# Altium PCB 直立车-PCB.PcbDoc (continued)
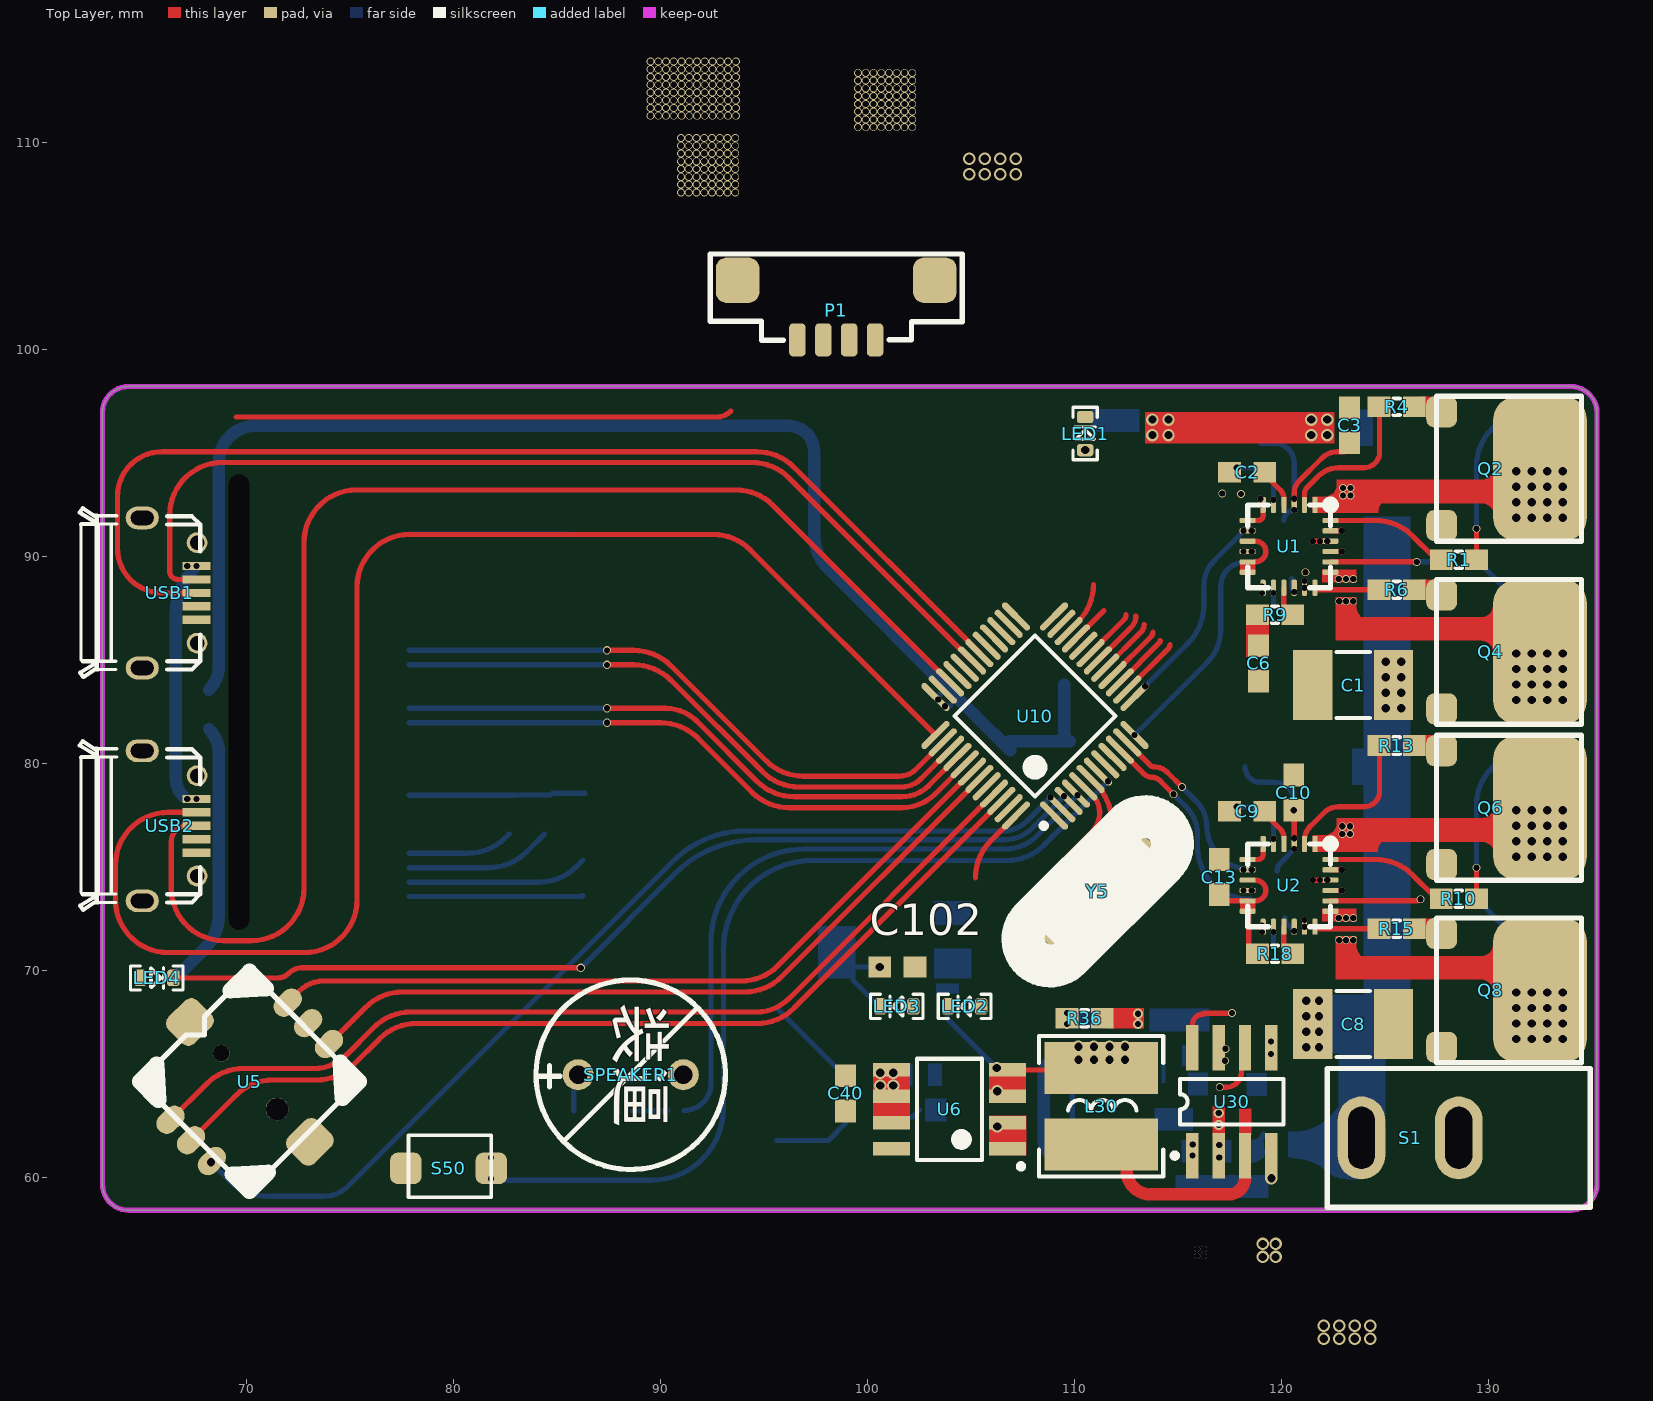
[diagram p0: Top Layer view]
## Nets (pads, with @x,y where several pads share a name; then routed paths per layer and width w, separated by ;. In a path a pad name is that pad's centre, name@x,y a point inside that pad or via, vN(x,y) a via of type N, cw(c..) or ccw(c..) an arc to the next point about the centre after c; other vN are vias at no path point)
12V: C1.2 C8.2 C30.1 C31.1 C32.1 D1.A D2.A Q1.2 Q3.2 Q5.2 Q7.2 R35.2 R41.2 S1.1 U30.2 | length 8.8
  Bottom Layer w0.254: C32.1@118.533,60.821 ccw(c118.533,61.421) C31.1@119.1,61.225 ; 118.55,61.675 ccw(c118.55,62.275) C31.1@119.117,62.079 ; 120.55,61.025 cw(c120.55,58.485) 122.188,60.426 ccw(c123.157,61.395) 123.157,60.025 S1.1@123.725,60.025 ; 120.575,62.075 ccw(c120.575,64.615) 122.563,63.034 122.84,63.311 cw(c123.9,62.251) S1.1@123.9,63.75
  other v2: 121.175,66.275 121.8,66.275 121.175,67.025 121.8,67.025 121.175,67.775 121.8,67.775 121.175,68.525 121.8,68.525 125.025,82.65 125.775,82.65 125.025,83.4 125.775,83.4 125.025,84.15 125.775,84.15 125.025,84.9 125.775,84.9 113.75,95.85 114.525,95.85 121.425,95.85 122.2,95.85 113.75,96.6 114.525,96.6 121.425,96.6 122.2,96.6
  other v5: 116.975,60.95 116.975,61.55 116.95,62.525 116.95,63.1
A-3V3: C6.1 C13.1 C64.1 C65.1 C66.1 C102.1 D101.2 P1.4 Q50.3 R9.1 R18.1 R43.2 R44.2 U1.9 U1.11 U1.12 U2.9 U2.11 U2.12 U9.6 U9.9 U100.5 U100.6 U100.7 | length 31.8
  Top Layer w0.254: C13.1 117.275,73.35 U2.11 ; R18.1@118.4,70.45 U2.12@118.4,72.85 ; U2.11@118.725,73.35 ccw(c118.725,73.85) 119.225,73.85 ccw(c118.725,73.85) U2.9@118.725,74.35 ; U1.11@118.725,89.725 ccw(c118.725,90.225) 119.225,90.225 ccw(c118.725,90.225) U1.9@118.725,90.725
  Bottom Layer w0.254: U9.9 82.975,78.456 C66.1 84.683,78.458 C65.1 C64.1 ; 98.825,70.15 v2(100.575,70.15) ; U100.5@99.288,69.513 R43.2@100.4,68.4
  Bottom Layer w0.6: R44.2 67.978,71.053 ccw(c66.356,72.675) 68.65,72.675 68.65,80.503 ccw(c67.028,80.503) D101.2
A-5V: C36.2 C37.2 C38.1 C41.1 L30.2 R32.2 R42.2 U6.3 U6.4 U100.3 U100.4 | length 14
  Top Layer w0.254: U6.4 111.18,65.18 L30.2
  Bottom Layer w0.254: R42.2 103.85,67.65 v2(106.225,65.275) ; 108.5,61.675 ccw(c108.525,61.675) 108.525,61.65
  Bottom Layer w0.6: 108.5,61.675 108.5,65.05 cw(c109.1,65.05) 109.1,65.65 ; 108.525,61.65 ccw(c109.125,61.65) C36.2@109.125,61.05
  other v2: 106.25,64.15 110.175,65.675 110.925,65.675 111.675,65.675 112.425,65.675 110.175,66.3 110.925,66.3 111.675,66.3 112.425,66.3
A-GND: 12V-IN.2 C1.1 C3.1 C5.1 C6.2 C8.1 C10.1 C12.1 C13.2 C30.2 C31.2 C32.2 C34.2 C35.2 C36.1 C37.1 C41.2 C42.1 C43.1 C62.2 C63.2 C64.2 C65.2 C66.2 C102.2 LED1.2 LED2.2 LED3.2 P1.3 Q2.3 Q4.3 Q6.3 Q8.3 R2.2 R3.2 R7.2 R11.2 R12.2 R16.2 R33.1 R34.2 R37.1 R38.2 R60.1 SPEAKER1.2 U1.6 U1.7 U1.13 U1.17 U2.6 U2.7 U2.13 U2.17 U6.1 U6.2 U9.1 U9.8 U9.10 U9.11 U9.12 U9.13 U9.16 U9.17 U9.21 U9.22 U9.23 U9.24 U9.25 U9.29 U9.30 U30.4 U100.1 U100.2 USB1.5 USB2.5 | length 10.2
  Top Layer w0.254: U2.7 118.85,75.35 ccw(c118.85,75.6) 119.1,75.6 U2.6 ; U1.7 118.85,91.725 ccw(c118.85,91.975) 119.1,91.975 U1.6
  Bottom Layer w0.254: R38.2 102.175,62.925 C42.1 ; C37.1 C36.1 114,62.6
  other v1: 121.15,89.225 118.025,93
  other v2: 119.5,59.95 106.25,62.45
  other v3: 119.05,71.85 121.1,72.1 119.05,72.15 121.1,72.425 118.975,76.1 119.05,88.225 121.1,88.475 119.05,88.525 121.1,88.8 118.975,92.475 118.975,92.775
AD-1: P3.4 U10.14 | length 3
  Top Layer w0.254: U10.14 114.526,85.546 ccw(c114.347,85.725) 114.6,85.725
AD-2: P3.3 U10.15 | length 2.8
  Top Layer w0.254: U10.15 114.073,85.801 ccw(c113.949,85.925) 114.125,85.925
BEEP: R53.1 U10.4 | length 30.1
  Bottom Layer w0.254: R53.1 ccw(c91.125,64.525) 92.425,64.525 92.425,71.343 cw(c96.932,71.343) 96.932,75.85 106.625,75.85 ccw(c106.625,78.023) 108.161,76.486 v3(110.125,78.45)
BLUETOOTH-RX: P1.2 U10.22 | length 2.6
  Top Layer w0.254: U10.22 110.156,86.833 ccw(c108.36,88.629) 110.9,88.629
BLUETOOTH-TX: P1.1 U10.21 | length 1.9
  Top Layer w0.254: U10.21 111.406,87.376
BOOT0: R51.2 U10.44
C-3V3: C39.1 C40.2 C51.2 C52.2 C53.2 C54.2 C55.2 D100.2 F4.1 P2.1 P3.1 R50.2 U10.1 U10.9 U10.24 U10.36 U10.48 | length 73.7
  Top Layer w0.254: 105.2,74.461 cw(c107.74,74.461) 105.944,76.257 U10.48
  Bottom Layer w0.254: C39.1 F4.1@98.488,65.287 ; 97.4,95.075 cw(c97.4,95.056) 97.419,95.056 ; v3(103.4,83.075) 103.4,83.119 cw(c103.656,83.119) C55.2@103.475,83.3 ; v3(103.725,82.75) cw(c103.785,82.69) 103.785,82.775 C55.2@104,82.775
  Bottom Layer w0.6: D100.2 ccw(c67.028,84.697) 68.65,84.697 68.65,94.525 cw(c70.425,94.525) 70.425,96.3 96.175,96.3 cw(c96.175,95.075) 97.4,95.075 ; 97.419,95.056 P2.1 ccw(c99.642,91) 98.07,89.428 C55.2 C51.2 C52.2@106.879,80.632 ; C52.2@106.85,81.05 C54.2@109.762,81.05 ; C54.2@109.5,81.175 C53.2@109.5,83.8
CA-1: C4.1 U1.23 | length 0.5
  Top Layer w0.25: U1.23 v3(122.9,91.225)
CA-2: C11.1 U2.23 | length 0.5
  Top Layer w0.25: U2.23 v3(122.9,74.85)
CB-1: C7.1 U1.21 | length 0.5
  Top Layer w0.25: U1.21 v3(122.9,90.225)
CB-2: C14.1 U2.21 | length 0.5
  Top Layer w0.25: U2.21 v3(122.9,73.85)
D-GND: C39.2 C40.1 C50.1 C51.1 C52.1 C53.1 C54.1 C55.1 C56.1 C57.1 P2.2 P3.2 R38.1 R51.1 S50.1 U5.5 U10.8 U10.23 U10.35 U10.47 | length 3.7
  Bottom Layer w0.254: C39.2 98.1,61.775 R38.1@98.937,62.612
ENCODER-1: P2.5 U10.17 | length 2.8
  Top Layer w0.254: U10.17 113.202,86.344 ccw(c112.846,86.7) 113.35,86.7
ENCODER-2: P2.6 U10.16 | length 2.9
  Top Layer w0.254: U10.16 113.693,86.127 ccw(c113.496,86.325) 113.775,86.325
GHA-1: R1.2 U1.24 | length 5.6
  Top Layer w0.254: U1.24 124.523,91.725 cw(c124.523,89.185) 126.319,90.981 R1.2@127.316,89.984
GHA-2: R10.2 U2.24 | length 5.6
  Top Layer w0.254: U2.24 124.523,75.35 cw(c124.523,72.81) 126.319,74.606 R10.2@127.316,73.609
GHB-1: R5.2 U1.20 | length 5.4
  Top Layer w0.254: U1.20 v1(126.519,89.725)
  Bottom Layer w0.254: v1(126.519,89.725) 127.459,89.725 ccw(c127.459,90.066) R5.2
GHB-2: R14.2 U2.20 | length 4.4
  Top Layer w0.254: U2.20 126.519,73.35 ccw(c126.519,73.606) v1(126.7,73.425)
GLA-1: R4.1 U1.2 | length 7.3
  Top Layer w0.254: U1.2 121.1,93.023 cw(c121.527,93.023) 121.225,93.325 121.768,93.868 cw(c122.75,92.887) 122.75,94.275 123.975,94.275 ccw(c123.975,95.025) 124.725,95.025 R4.1@124.725,97.2
GLA-2: R13.1 U2.2 | length 7.2
  Top Layer w0.254: U2.2 121.1,76.286 cw(c122.039,76.286) 121.375,76.95 122.024,77.599 cw(c122.75,76.874) 122.75,77.9 123.975,77.9 ccw(c123.975,78.65) 124.725,78.65 R13.1@124.725,80.825
GLB-1: R6.1 U1.18 | length 2.9
  Top Layer w0.254: U1.18@121.7,88.375 R6.1@124.575,88.375
GLB-2: R15.1 U2.18 | length 2.9
  Top Layer w0.254: U2.18@121.7,72 R15.1@124.575,72
IN-3V3: D100.1 D101.1 USB1.1 USB2.1 | length 12.8
  Bottom Layer w0.254: v4@67.475,89.425 v4(67.575,89.525)
  Bottom Layer w0.4: v4@66.95,78.275 v4(67.125,78.275) v4(67.575,78.275) v4@67.7,78.275 ; v4@67.1,89.525 v4(67.125,89.525) v4(67.575,89.525) v4@67.675,89.525
  Bottom Layer w0.6: 66.925,78.4 cw(c67.77,79.245) 66.575,79.245 D101.1 D100.1 66.575,87.252 cw(c69.648,87.252) v4@67.475,89.425
KEY-DOWN: U5.6 U10.43 | length 36.5
  Top Layer w0.254: U5.6 75.741,68.206 cw(c77.537,66.41) 77.537,68.95 94.049,68.95 ccw(c94.049,71.49) 95.846,69.694 U10.43
KEY-LEFT: U5.3 U10.2 | length 48.8
  Bottom Layer w0.254: v2(68.275,60.725) 69.181,59.819 ccw(c70.977,61.615) 70.977,59.075 73.725,59.075 ccw(c73.725,60.705) 74.877,59.552 90.602,75.277 cw(c94.098,71.78) 94.098,76.725 106.545,76.725 ccw(c106.545,78.307) 107.663,77.188 v3(108.825,78.35)
KEY-MID: U5.2@67.306,61.787 U10.46 | length 45.5
  Top Layer w0.254: U5.2@67.306,61.787 69.475,63.956 cw(c71.271,62.16) 71.271,64.7 73.373,64.7 ccw(c73.373,67.24) 75.169,65.444 76.406,66.681 cw(c78.202,64.885) 78.202,67.425 94.646,67.425 ccw(c94.646,69.965) 96.442,68.169 U10.46
KEY-RIGHT: U5.4 U10.42 | length 37.5
  Top Layer w0.254: U5.4 72.537,68.993 ; 72.537,68.994 cw(c73.7,67.83) 73.7,69.475 93.867,69.475 ccw(c93.867,72.015) 95.663,70.219 U10.42
KEY-UP: U5.1@66.318,62.774 U10.45 | length 46
  Top Layer w0.254: U5.1@66.318,62.774 68.05,64.506 ; 68.05,64.506 cw(c69.846,62.71) 69.846,65.25 73.25,65.25 ccw(c73.25,67.423) 74.786,65.886 ; 74.712,65.812 74.786,65.886 ; U10.45 96.21,68.644 cw(c94.595,70.259) 94.595,67.975 77.927,67.975 ccw(c77.927,65.435) 76.131,67.231 74.786,65.886
LED: LED4.2 U10.3 | length 46.3
  Top Layer w0.254: LED4.2 71.482,69.625 ccw(c71.482,70.393) 72.025,69.85 cw(c72.658,69.217) 72.658,70.112 v4(86.137,70.112)
  Bottom Layer w0.254: v4(86.137,70.112) 90.713,74.688 cw(c94.605,70.797) 94.605,76.3 106.6,76.3 ccw(c106.6,78.171) 107.923,76.848 v3(109.475,78.4)
MOTOR-1-A: R3.1 U1.8 U10.13 | length 10.3
  Top Layer w0.254: U10.13 v3(113.399,83.712)
  Bottom Layer w0.254: 113.2,83.525 115.481,85.806 ccw(c113.685,87.602) 116.225,87.602 116.225,88.525 cw(c118.036,88.525) 116.755,89.805 R3.1
  other v3: 118.15,91.225 118.55,91.225
MOTOR-1-B: R2.1 U1.10 U10.12 | length 10.6
  Bottom Layer w0.254: v3@112.875,81.35 116.396,84.871 ccw(c114.817,86.45) 117.05,86.45 117.05,88.55 cw(c118.2,88.55) R2.1@118.2,89.7
  other v3: 112.885,81.36 118.15,90.225 118.55,90.225
MOTOR-2-A: R12.1 U2.8 U10.11 | length 9.1
  Top Layer w0.254: U10.11 113.634,79.904 ccw(c113.825,80.095) 113.825,79.825 cw(c113.825,78.92) 114.465,79.56 v1(115.175,78.85)
  Bottom Layer w0.254: v1@115.15,78.875 v1(115.175,78.85) 115.898,78.127 cw(c114.745,76.975) 116.375,76.975 ccw(c118.475,76.975) R12.1@118.475,74.875
  other v3: 118.15,74.85 118.55,74.85
MOTOR-2-B: R11.1 U2.10 U10.10 | length 10.4
  Top Layer w0.254: U10.10 113.369,79.462 ccw(c113.7,79.794) 113.7,79.325 cw(c113.7,78.721) 114.127,79.148 v1(114.775,78.5)
  Bottom Layer w0.254: v1@114.725,78.55 115.377,77.898 cw(c114.054,76.575) 115.925,76.575 115.925,75.965 ccw(c118.465,75.965) 118.465,73.425 R11.1@118.475,73.425
  other v3: 118.15,73.85 118.55,73.85
MPU6050-SCL: P2.3 U10.19 | length 2.5
  Top Layer w0.254: U10.19 112.373,86.928 ccw(c112.126,87.175) 112.475,87.175
MPU6050-SDA: P2.4 U10.18 | length 2.9
  Top Layer w0.254: U10.18 112.737,86.585 ccw(c112.222,87.1) 112.95,87.1
Net12V-IN_1: 12V-IN.1 S1.2
NetC2_1: C2.1 U1.4 | length 1.7
  Top Layer w0.254: C2.1@119.246,93.879 119.925,93.2 cw(c119.503,92.778) 120.1,92.778 U1.4
NetC2_2: C2.2 U1.5 | length 3.1
  Bottom Layer w0.254: v1(117.825,94.275) 119.025,94.275 cw(c119.025,93.7) 119.6,93.7 v3(119.6,92.725)
NetC5_2: C5.2 U1.22 | length 0.7
  Top Layer w0.254: v3(121.5,90.725) v3(121.85,90.725) v3(122.2,90.725)
NetC9_1: C9.1 U2.4 | length 1.4
  Top Layer w0.254: C9.1@119.246,77.504 119.925,76.825 cw(c119.503,76.403) U2.4@120.1,76.403
NetC9_2: C9.2 U2.5 | length 3.1
  Bottom Layer w0.254: v1(117.825,77.9) 119.025,77.9 cw(c119.025,77.325) 119.6,77.325 v3(119.6,76.35)
NetC12_2: C12.2 U2.22 | length 0.7
  Top Layer w0.254: v3(121.5,74.35) v3(121.85,74.35) v3(122.2,74.35)
NetC33_1: C33.1 L30.1 U30.3 | length 6.8
  Top Layer w0.6: L30.1@112.5,60.325 ccw(c113.659,60.325) 113.659,59.166 117.427,59.166 ccw(c117.425,59.966) U30.3@118.225,59.95
NetC33_2: C33.2 R30.1
NetC34_1: C34.1 U30.7
  other v1: 117.25,65.625 117.275,66.2
NetC35_1: C35.1 R33.2 U30.1
  other v1: 115.681,61.044 115.7,61.575
NetC38_2: C38.2 R36.2
  other v5: 109.625,67.4 109.625,67.925
NetC42_2: C42.2 C43.2 F4.2 U6.5 U6.6 U6.7
  other v2: 100.6,64.425 101.225,64.425 100.6,65.05 101.225,65.05
NetC60_1: C60.1 U9.2 | length 8.4
  Bottom Layer w0.254: U9.2 86.115,73.554 ccw(c86.115,73.71) C60.1
NetC60_2: C60.2 U9.3 | length 8.7
  Bottom Layer w0.254: U9.3 84.127,74.255 ccw(c84.127,76.795) 85.923,74.998 C60.2
NetC61_1: C61.1 U9.4 | length 7.1
  Bottom Layer w0.254: U9.4 81.703,74.955 ccw(c81.703,77.495) 83.499,75.699 C61.1
NetC61_2: C61.2 U9.5 | length 5.1
  Bottom Layer w0.254: U9.5 80.703,75.655 ccw(c80.703,78.195) 82.499,76.399 C61.2
NetC62_1: C62.1 U9.27 | length 7.7
  Bottom Layer w0.254: U9.27 C62.1@85.541,91.059
NetC63_1: C63.1 U9.28
NetLED1_1: LED1.1 R41.1
  other v2: 110.5,95.125
NetLED2_1: LED2.1 R42.1
NetLED3_1: LED3.1 R43.1
NetLED4_1: LED4.1 R44.1
NetQ1_1: Q1.1 R1.1 | length 7.7
  Top Layer w0.254: R1.1 v1(129.4,91.325)
  Bottom Layer w0.254: v1(129.4,91.325) 129.4,94.348 cw(c131.94,94.348) 130.144,96.144 Q1.1@130.975,96.975
NetQ2_1: Q2.1 R4.2
NetQ3_1: Q3.1 R5.1 | length 2.1
  Bottom Layer w0.254: R5.1 Q3.1@130.879,88.346
NetQ4_1: Q4.1 R6.2
NetQ5_1: Q5.1 R10.1 | length 7.7
  Top Layer w0.254: R10.1 v1(129.4,74.95)
  Bottom Layer w0.254: v1(129.4,74.95) 129.4,77.973 cw(c131.94,77.973) 130.144,79.769 Q5.1@130.975,80.6
NetQ6_1: Q6.1 R13.2
NetQ7_1: Q7.1 R14.1 | length 2.1
  Bottom Layer w0.254: R14.1 Q7.1@130.879,71.971
NetQ8_1: Q8.1 R15.2
NetQ50_1: Q50.1 SPEAKER1.1 | length 1.8
  Bottom Layer w0.254: Q50.1 85.8,64.419 cw(c86.517,64.419) SPEAKER1.1@86.01,64.926
NetQ50_2: Q50.2 R53.2 | length 1.7
  Bottom Layer w0.254: 88.625,63.2 90.29,63.2 ccw(c90.29,63.285) 90.35,63.225
NetR7_1: R7.1 U1.14 | length 0.7
  Bottom Layer w0.254: R7.1@119.6,87.575 v3(119.6,88.225)
NetR8_1: R8.1 U1.16 | length 0.7
  Bottom Layer w0.254: 120.475,88.925 120.475,88.577 ccw(c120.902,88.577) v3(120.6,88.275)
NetR9_2: R9.2 U1.15 | length 1.2
  Top Layer w0.254: R9.2@120.1,87.275 U1.15
NetR16_1: R16.1 U2.14 | length 0.6
  Bottom Layer w0.254: R16.1@119.6,71.225 v3(119.6,71.85)
NetR17_1: R17.1 U2.16 | length 0.8
  Bottom Layer w0.254: R17.1@120.15,72.55 ccw(c120.633,72.55) 120.291,72.209 v3(120.6,71.9)
NetR18_2: R18.2 U2.15 | length 1.2
  Top Layer w0.254: R18.2@120.1,70.9 U2.15
NetR30_2: R30.2 U30.5
  other v1: 119.475,65.95 119.475,66.55
NetR31_1: R31.1 R32.1 R34.1 R36.1
  other v5: 113.05,67.4 113.05,67.9
NetR31_2: R31.2 U30.8 | length 3.3
  Top Layer w0.254: U30.8 115.681,67.356 cw(c116.2,67.356) 116.2,67.875 116.25,67.925 v1(117.6,67.925)
NetR35_1: R35.1 R37.2 U30.6 | length 2.7
  Top Layer w0.254: v1(117,64.35) 117.325,64.35 ccw(c117.325,65.075) 118.05,65.075 118.05,66.072 cw(c118.221,66.072) U30.6
NetR60_2: R60.2 U9.26
NRST: C50.2 R50.1 S50.2 U10.7 | length 43.4
  Bottom Layer w0.254: C50.2 89.54,59.85 ccw(c89.54,63.335) 93.025,63.335 93.025,70.994 cw(c97.331,70.994) 97.331,75.3 106.723,75.3 ccw(c106.723,77.84) 108.519,76.044 v3(111.6,79.125)
  other v4: 81.8,59.925 81.8,60.95
OLED-D0: U9.18 U10.39 | length 29
  Top Layer w0.254: v4(87.4,84.75) 88.698,84.75 cw(c88.698,82.21) 90.494,84.006 94.906,79.594 ccw(c96.702,81.39) 96.702,78.85 101.607,78.85 ccw(c101.607,80.216) 102.573,79.25 U10.39
  Bottom Layer w0.254: U9.18 v4@87.4,84.758
OLED-D1: U9.19 U10.38 | length 28.7
  Top Layer w0.254: v4(87.4,85.45) 88.698,85.45 cw(c88.698,82.91) 90.494,84.706 95.081,80.119 ccw(c96.877,81.915) 96.877,79.375 101.531,79.375 ccw(c101.531,80.485) 102.316,79.7 U10.38
  Bottom Layer w0.254: U9.19 v4@87.4,85.458
OLED-DC: U9.15 U10.40 | length 28.8
  Top Layer w0.254: v4(87.4,82.65) 90.241,82.65 cw(c90.241,80.516) 91.75,82.025 94.656,79.119 ccw(c96.452,80.915) 96.452,78.375 101.649,78.375 ccw(c101.649,80.201) 102.94,78.91 U10.40
  Bottom Layer w0.254: U9.15 v4@87.4,82.657
OLED-RST: U9.14 U10.41 | length 29.1
  Top Layer w0.254: v4(87.4,81.95) 89.998,81.95 cw(c89.998,79.41) 91.794,81.206 94.406,78.594 ccw(c96.202,80.39) 96.202,77.85 101.641,77.85 ccw(c101.641,80.134) 103.256,78.519 U10.41
  Bottom Layer w0.254: U9.14 v4@87.4,81.957
OSC-IN: C56.2 U10.5 Y5.2 | length 8.6
  Top Layer w0.254: v2(108.239,73.139) cw(c110.533,73.139) 108.911,74.761 110.793,76.643 ccw(c109.812,77.625) 111.2,77.625 ccw(c110.064,77.625) 110.867,78.428 U10.5
  Bottom Layer w1.016: v2(108.239,73.139) Y5.2
OSC-OUT: C57.2 U10.6 Y5.1 | length 4.4
  Top Layer w0.254: U10.6 111.031,78.971 cw(c109.235,77.175) 111.775,77.175 v2(111.775,76.675)
  Bottom Layer w1.016: v2(111.775,76.675) Y5.1
PA8-NO: U10.29
PA11-NO: U10.32
PA12--NO: U10.33
PB2-NO: U10.20
PB12-NO: U10.25
PB13-NO: U10.26
PB14-NO: U10.27
PB15-NO: U10.28
SA-1: B1.1 C4.2 Q1.3 Q2.2 U1.1
  other v1: 122.95,92.925 123.325,92.925 122.95,93.3 123.325,93.3
  other v2: 131.325,91.85 132.075,91.85 132.825,91.85 133.575,91.85 131.325,92.6 132.075,92.6 132.825,92.6 133.575,92.6 131.325,93.35 132.075,93.35 132.825,93.35 133.575,93.35 131.325,94.1 132.075,94.1 132.825,94.1 133.575,94.1
SA-2: B2.1 C11.2 Q5.3 Q6.2 U2.1
  other v1: 122.925,76.575 123.3,76.575 122.925,76.95 123.3,76.95
  other v2: 131.325,75.475 132.075,75.475 132.825,75.475 133.575,75.475 131.325,76.225 132.075,76.225 132.825,76.225 133.575,76.225 131.325,76.975 132.075,76.975 132.825,76.975 133.575,76.975 131.325,77.725 132.075,77.725 132.825,77.725 133.575,77.725
SB-1: B1.2 C7.2 Q3.3 Q4.2 U1.19 | length 2.1
  Top Layer w0.254: v1@123.425,87.825 ccw(c124.775,87.825) 124.775,86.475
  other v1: 122.775,87.825 123.1,87.825 123.45,87.825 122.754,88.898 123.1,88.9 123.45,88.9
  other v2: 131.325,83.05 132.075,83.05 132.825,83.05 133.575,83.05 131.325,83.8 132.075,83.8 132.825,83.8 133.575,83.8 131.325,84.55 132.075,84.55 132.825,84.55 133.575,84.55 131.325,85.3 132.075,85.3 132.825,85.3 133.575,85.3
SB-2: B2.2 C14.2 Q7.3 Q8.2 U2.19 | length 2.1
  Top Layer w0.254: v1@123.425,71.45 ccw(c124.775,71.45) 124.775,70.1
  other v1: 122.775,71.45 123.1,71.45 123.45,71.45 122.754,72.523 123.1,72.525 123.45,72.525
  other v2: 131.325,66.675 132.075,66.675 132.825,66.675 133.575,66.675 131.325,67.425 132.075,67.425 132.825,67.425 133.575,67.425 131.325,68.175 132.075,68.175 132.825,68.175 133.575,68.175 131.325,68.925 132.075,68.925 132.825,68.925 133.575,68.925
SWCLK: U10.37 USB2.2 | length 70
  Top Layer w0.254: USB2.2 66.2,77.625 ccw(c66.2,75.085) 63.66,75.085 63.66,73.39 ccw(c66.2,73.39) 66.2,70.85 72.785,70.85 ccw(c72.785,73.39) 75.325,73.39 75.325,88.51 cw(c77.865,88.51) 77.865,91.05 92.526,91.05 cw(c92.526,88.51) 94.322,90.306 U10.37
SWDIO: U10.34 USB2.3 | length 66.3
  Top Layer w0.254: USB2.3 67.125,76.975 ccw(c67.125,76.2) 66.35,76.2 66.35,73.965 ccw(c68.89,73.965) 68.89,71.425 70.225,71.425 ccw(c70.225,73.965) 72.765,73.965 72.765,90.66 cw(c75.305,90.66) 75.305,93.2 93.629,93.2 cw(c93.629,90.66) 95.425,92.456 U10.34
UART1-RX: U10.31 USB1.2 | length 48.3
  Top Layer w0.254: USB1.2 66.675,88.875 cw(c66.675,89.275) 66.275,89.275 66.275,91.985 cw(c68.815,91.985) 68.815,94.525 94.4,94.525 cw(c94.4,91.985) 96.196,93.781 U10.31@105.036,84.941
UART1-TX: U10.30 USB1.3 | length 54.4
  Top Layer w0.254: USB1.3 65.915,88.225 cw(c65.915,90.39) 63.75,90.39 63.75,92.885 cw(c65.915,92.885) 65.915,95.05 94.617,95.05 cw(c94.617,92.472) 96.44,94.295 U10.30@105.415,85.32
VBB-1: C3.2 D1.K R8.2 U1.3 | length 9.2
  Top Layer w0.254: U1.3 v3(120.6,92.775) 120.6,93.046 cw(c121.454,93.046) 120.85,93.65 121.932,94.732 cw(c122.7,93.964) 122.7,95.05 C3.2@123.025,95.05
  Bottom Layer w0.254: D1.K@118.975,95.45 119.65,95.45 cw(c119.65,94.5) 120.6,94.5 v3(120.6,92.225) ccw(c120.6,91.725) R8.2@120.1,91.725
VBB-2: C10.2 D2.K R17.2 U2.3 | length 8.6
  Top Layer w0.254: U2.3 v3(120.6,76.375) C10.2@120.6,77.725
  Bottom Layer w0.254: D2.K ccw(c118.975,79.825) 118.975,79.075 119.65,79.075 cw(c119.65,78.125) 120.6,78.125 v3(120.6,75.85) 119.934,75.184 ccw(c120.318,74.8) R17.2@119.775,74.8
  other v1: 120.575,77.725
pads on no net: P1.0 P2.9 P2.10 P3.0 U5.0 U5.1@68.774,65.981 U5.2@71.468,63.287 U6.8 U9.7 U9.20 U100.8 USB1.0 USB1.4 USB2.0 USB2.4
copper on no net: | length 24
  Top Layer w0.254: 69.475,96.725 92.711,96.725 ccw(c92.711,97.664) 93.375,97
  other v1: 117.125,93.025 90.975,107.575 91.35,107.575 91.725,107.575 92.1,107.575 92.475,107.575 92.85,107.575 93.225,107.575 93.6,107.575 90.975,107.95 91.35,107.95 91.725,107.95 92.1,107.95 92.475,107.95 92.85,107.95 93.225,107.95 93.6,107.95 90.975,108.325 91.35,108.325 91.725,108.325 92.1,108.325 92.475,108.325 92.85,108.325 93.225,108.325 93.6,108.325 90.975,108.7 91.35,108.7 91.725,108.7 92.1,108.7 92.475,108.7 92.85,108.7 93.225,108.7 93.6,108.7 90.975,109.075 91.35,109.075 91.725,109.075 92.1,109.075 92.475,109.075 92.85,109.075 93.225,109.075 93.6,109.075 90.975,109.45 91.35,109.45 91.725,109.45 92.1,109.45 92.475,109.45 92.85,109.45 93.225,109.45 93.6,109.45 90.975,109.825 91.35,109.825 91.725,109.825 92.1,109.825 92.475,109.825 92.85,109.825 93.225,109.825 93.6,109.825 90.975,110.2 91.35,110.2 91.725,110.2 92.1,110.2 92.475,110.2 92.85,110.2 93.225,110.2 93.6,110.2 99.525,110.725 99.9,110.725 100.275,110.725 100.65,110.725 101.025,110.725 101.4,110.725 101.775,110.725 102.15,110.725 99.525,111.1 99.9,111.1 100.275,111.1 100.65,111.1 101.025,111.1 101.4,111.1 101.775,111.1 102.15,111.1 89.5,111.275 89.875,111.275 90.25,111.275 90.625,111.275 91,111.275 91.375,111.275 91.75,111.275 92.125,111.275 92.5,111.275 92.875,111.275 93.25,111.275 93.625,111.275 99.525,111.475 99.9,111.475 100.275,111.475 100.65,111.475 101.025,111.475 101.4,111.475 101.775,111.475 102.15,111.475 89.5,111.65 89.875,111.65 90.25,111.65 90.625,111.65 91,111.65 91.375,111.65 91.75,111.65 92.125,111.65 92.5,111.65 92.875,111.65 93.25,111.65 93.625,111.65 99.525,111.85 99.9,111.85 100.275,111.85 100.65,111.85 101.025,111.85 101.4,111.85 101.775,111.85 102.15,111.85 89.5,112.025 89.875,112.025 90.25,112.025 90.625,112.025 91,112.025 91.375,112.025 91.75,112.025 92.125,112.025 92.5,112.025 92.875,112.025 93.25,112.025 93.625,112.025 99.525,112.225 99.9,112.225 100.275,112.225 100.65,112.225 101.025,112.225 101.4,112.225 101.775,112.225 102.15,112.225 89.5,112.4 89.875,112.4 90.25,112.4 90.625,112.4 91,112.4 91.375,112.4 91.75,112.4 92.125,112.4 92.5,112.4 92.875,112.4 93.25,112.4 93.625,112.4 99.525,112.6 99.9,112.6 100.275,112.6 100.65,112.6 101.025,112.6 101.4,112.6 101.775,112.6 102.15,112.6 89.5,112.775 89.875,112.775 90.25,112.775 90.625,112.775 91,112.775 91.375,112.775 91.75,112.775 92.125,112.775 92.5,112.775 92.875,112.775 93.25,112.775 93.625,112.775 99.525,112.975 99.9,112.975 100.275,112.975 100.65,112.975 101.025,112.975 101.4,112.975 101.775,112.975 102.15,112.975 89.5,113.15 89.875,113.15 90.25,113.15 90.625,113.15 91,113.15 91.375,113.15 91.75,113.15 92.125,113.15 92.5,113.15 92.875,113.15 93.25,113.15 93.625,113.15 99.525,113.35 99.9,113.35 100.275,113.35 100.65,113.35 101.025,113.35 101.4,113.35 101.775,113.35 102.15,113.35 89.5,113.525 89.875,113.525 90.25,113.525 90.625,113.525 91,113.525 91.375,113.525 91.75,113.525 92.125,113.525 92.5,113.525 92.875,113.525 93.25,113.525 93.625,113.525 89.5,113.9 89.875,113.9 90.25,113.9 90.625,113.9 91,113.9 91.375,113.9 91.75,113.9 92.125,113.9 92.5,113.9 92.875,113.9 93.25,113.9 93.625,113.9
  other v2: 122.025,52.2 122.775,52.2 123.525,52.2 124.275,52.2 122.025,52.825 122.775,52.825 123.525,52.825 124.275,52.825 119.075,56.15 119.7,56.15 119.075,56.775 119.7,56.775 104.9,108.45 105.65,108.45 106.4,108.45 107.15,108.45 104.9,109.2 105.65,109.2 106.4,109.2 107.15,109.2
  other v3: 115.9,56.2 116.225,56.2 115.9,56.525 116.225,56.525

## Keep-outs
Keep-Out Layer:
  lines w0.254: 63.025,59.67 ccw(c64.295,59.67) 64.295,58.4 65.8,58.4 132.25,58.4 133.955,58.4 ccw(c133.955,59.67) 135.225,59.67 135.225,89.75 135.225,96.93 ccw(c133.955,96.93) 133.955,98.2 64.295,98.2 ccw(c64.295,96.93) 63.025,96.93 63.025,92.925 63.025,60.725 63.025,59.67

## Other copper
Top Layer:
  rectangle net NetR31_1: 111.675,67.175 113.35,68.175
  rectangle net NetC33_1: 117.925,62.05 118.525,63.325
  rectangle net 12V: 113.4,95.45 122.55,96.975
  region net A-3V3: 118.275,86.825 118.275,85.125 119.375,85.125 119.375,86.825
  region net A-3V3: 117.975,73.325 117.975,72.85 118.725,72.85 118.725,73.325
  region net A-3V3: 117.975,89.7 117.975,89.225 118.725,89.225 118.725,89.7
  region net SB-2: 121.95,72.975 121.95,72.35 123.6,72.35 123.6,72.975
  region net SB-1: 121.95,89.35 121.95,88.725 123.6,88.725 123.6,89.35
  region net SB-2: 122.6,70.675 122.6,69.55 130.7,69.55 130.7,70.675
  region net SB-2: 122.6,71.65 122.6,70.525 123.6,70.525 123.6,71.65
  region net SB-1: 122.6,88.025 122.6,86.9 123.6,86.9 123.6,88.025
  region net SB-1: 122.6,87.05 122.6,85.925 130.7,85.925 130.7,87.05
  region net SA-2: 121.475,76.525 121.475,75.7 124.65,75.7 124.65,76.525
  region net SA-2: 122.65,77.35 122.65,76.2 130.425,76.2 130.425,77.35
  region net SA-1: 121.475,92.875 121.475,92.075 124.65,92.075 124.65,92.875
  region net SA-1: 122.65,93.7 122.65,92.55 130.425,92.55 130.425,93.7
  region net NetQ8_1: 126.675,72.5 126.675,71.5 127.55,71.5 127.55,72.5
  region net NetQ6_1: 126.675,81.35 126.675,80.35 127.55,80.35 127.55,81.35
  region net NetQ4_1: 126.675,88.875 126.675,87.875 127.55,87.875 127.55,88.875
  region net NetQ2_1: 126.675,97.725 126.675,96.725 127.55,96.725 127.55,97.725
  region net 12V: 117.25,61.975 117.25,63.45 116.65,63.45 116.65,61.975
  rectangle net NetC42_2: 100.25,62.325 102.05,65.5
  rectangle net A-5V: 105.85,63.6 107.65,65.5
  rectangle net A-GND: 105.85,61.05 107.675,62.975
  region net SA-2: 125.296,76.364 ccw(c125.264,75.691) 124.81,76.189 ccw(c125.309,75.735) 124.635,75.704 124.635,76.364
  region net SA-1: 125.31,92.75 ccw(c125.279,92.077) 124.825,92.575 ccw(c125.323,92.121) 124.65,92.09 124.65,92.75
  region net SB-2: 130.225,68.89 ccw(c129.552,68.921) 130.05,69.375 ccw(c129.596,68.877) 129.565,69.55 130.225,69.55
  region net SB-2: 129.565,70.675 ccw(c129.596,71.348) 130.05,70.85 ccw(c129.552,71.304) 130.225,71.335 130.225,70.675
  region net SB-1: 129.565,87.05 ccw(c129.596,87.723) 130.05,87.225 ccw(c129.552,87.679) 130.225,87.71 130.225,87.05
  region net SB-1: 130.225,85.265 ccw(c129.552,85.296) 130.05,85.75 ccw(c129.596,85.252) 129.565,85.925 130.225,85.925
  region net SA-2: 122.015,76.525 ccw(c122.046,77.198) 122.5,76.7 ccw(c122.002,77.154) 122.675,77.185 122.675,76.525
  region net SA-2: 130.275,75.54 ccw(c129.602,75.571) 130.1,76.025 ccw(c129.646,75.527) 129.615,76.2 130.275,76.2
  region net SA-2: 129.615,77.35 ccw(c129.646,78.023) 130.1,77.525 ccw(c129.602,77.979) 130.275,78.01 130.275,77.35
  region net SA-1: 122.015,92.875 ccw(c122.046,93.548) 122.5,93.05 ccw(c122.002,93.504) 122.675,93.535 122.675,92.875
  region net SA-1: 130.275,91.89 ccw(c129.602,91.921) 130.1,92.375 ccw(c129.646,91.877) 129.615,92.55 130.275,92.55
  region net SA-1: 129.615,93.7 ccw(c129.646,94.373) 130.1,93.875 ccw(c129.602,94.329) 130.275,94.36 130.275,93.7
Bottom Layer:
  rectangle net 12V: 110.775,96 113.125,97.1
  rectangle net 12V: 121.175,65.975 125,68.825
  rectangle net NetC38_2: 109.35,67.175 111.45,68.15
  rectangle net 12V: 118.425,60.925 119.15,61.75
  rectangle net 12V: 116.925,60.7 117.575,61.8
  region net 12V: 123.95,91.925 123.95,66.9 126.225,66.9 126.225,91.925
  region net A-GND: 115.7,62.25 115.7,63.35 113.85,63.35 113.85,62.25
  region net A-GND: 114.375,64.55 114.375,65.475 114.2,65.475 114.2,64.55
  region net A-5V: 113.8,65.35 113.8,66.45 109.1,66.45 109.1,65.35
  region net A-GND: 119.35,59 119.35,60.1 114.875,60.1 114.875,59
  region net A-GND: 115.475,65.375 115.475,66.375 115.175,66.375 115.175,65.375
  region net NetR35_1: 116.425,63.95 116.425,65.05 115.475,65.05 115.475,63.95
  region net NetR31_1: 116.5,67.05 116.5,68.15 113.6,68.15 113.6,67.05
  region net NetC33_2: 119.275,63.925 119.275,65.025 118.3,65.025 118.3,63.925
  rectangle net NetC35_1: 115.15,60.7 115.675,61.8
  rectangle net 12V: 120.3,60.95 124.4,62.2
  rectangle net 12V: 122.563,62.075 123,63.034
  rectangle net 12V: 122.35,62.1 122.7,62.85
  rectangle net 12V: 122.05,62.075 122.563,62.675
  rectangle net 12V: 121.65,62.1 122.35,62.425
  rectangle net 12V: 121.525,60.7 122.9,61.05
  rectangle net 12V: 122.425,60.15 123.2,60.6
  rectangle net 12V: 122.125,60.375 122.6,60.8
  rectangle net 12V: 122.55,60.45 122.875,60.8
  rectangle net A-5V: 103.2,69.6 105,71.05
  rectangle net A-GND: 103.2,72.175 105,73.35
  rectangle net A-3V3: 97.6,69.6 99.4,72.125
  rectangle net A-5V: 103.3,68.875 104.4,69.35
  rectangle net A-GND: 102.775,62.7 103.8,63.8
  rectangle net NetC42_2: 101.45,64.4 102.15,65.5
  rectangle net NetC42_2: 102.9,64.4 103.575,65.5
  rectangle net 12V: 121.95,60.575 122.25,60.85
  rectangle net 12V: 122.75,62.35 125,66.3
  rectangle net 12V: 123.4,78.95 124.3,80.7
  rectangle net 12V: 123.55,95.325 124.4,97.075

## Text inside footprints (layer, text, board x,y; h text height)
P2: Bottom Overlay "1" at 96.517,91.178 h0.76 r180; Bottom Overlay "8" at 103.197,91.152 h0.76 r180
SPEAKER1: Top Overlay "装逼" at 87.225,68.425 h3.81 r270
U9: Bottom Overlay "30" at 79.886,90.851 h0.76 r270; Bottom Overlay "1" at 79.937,74.163 h0.76 r270